# KiCad board HPM6E00ADCEVKRevC.kicad_pcb (continued)
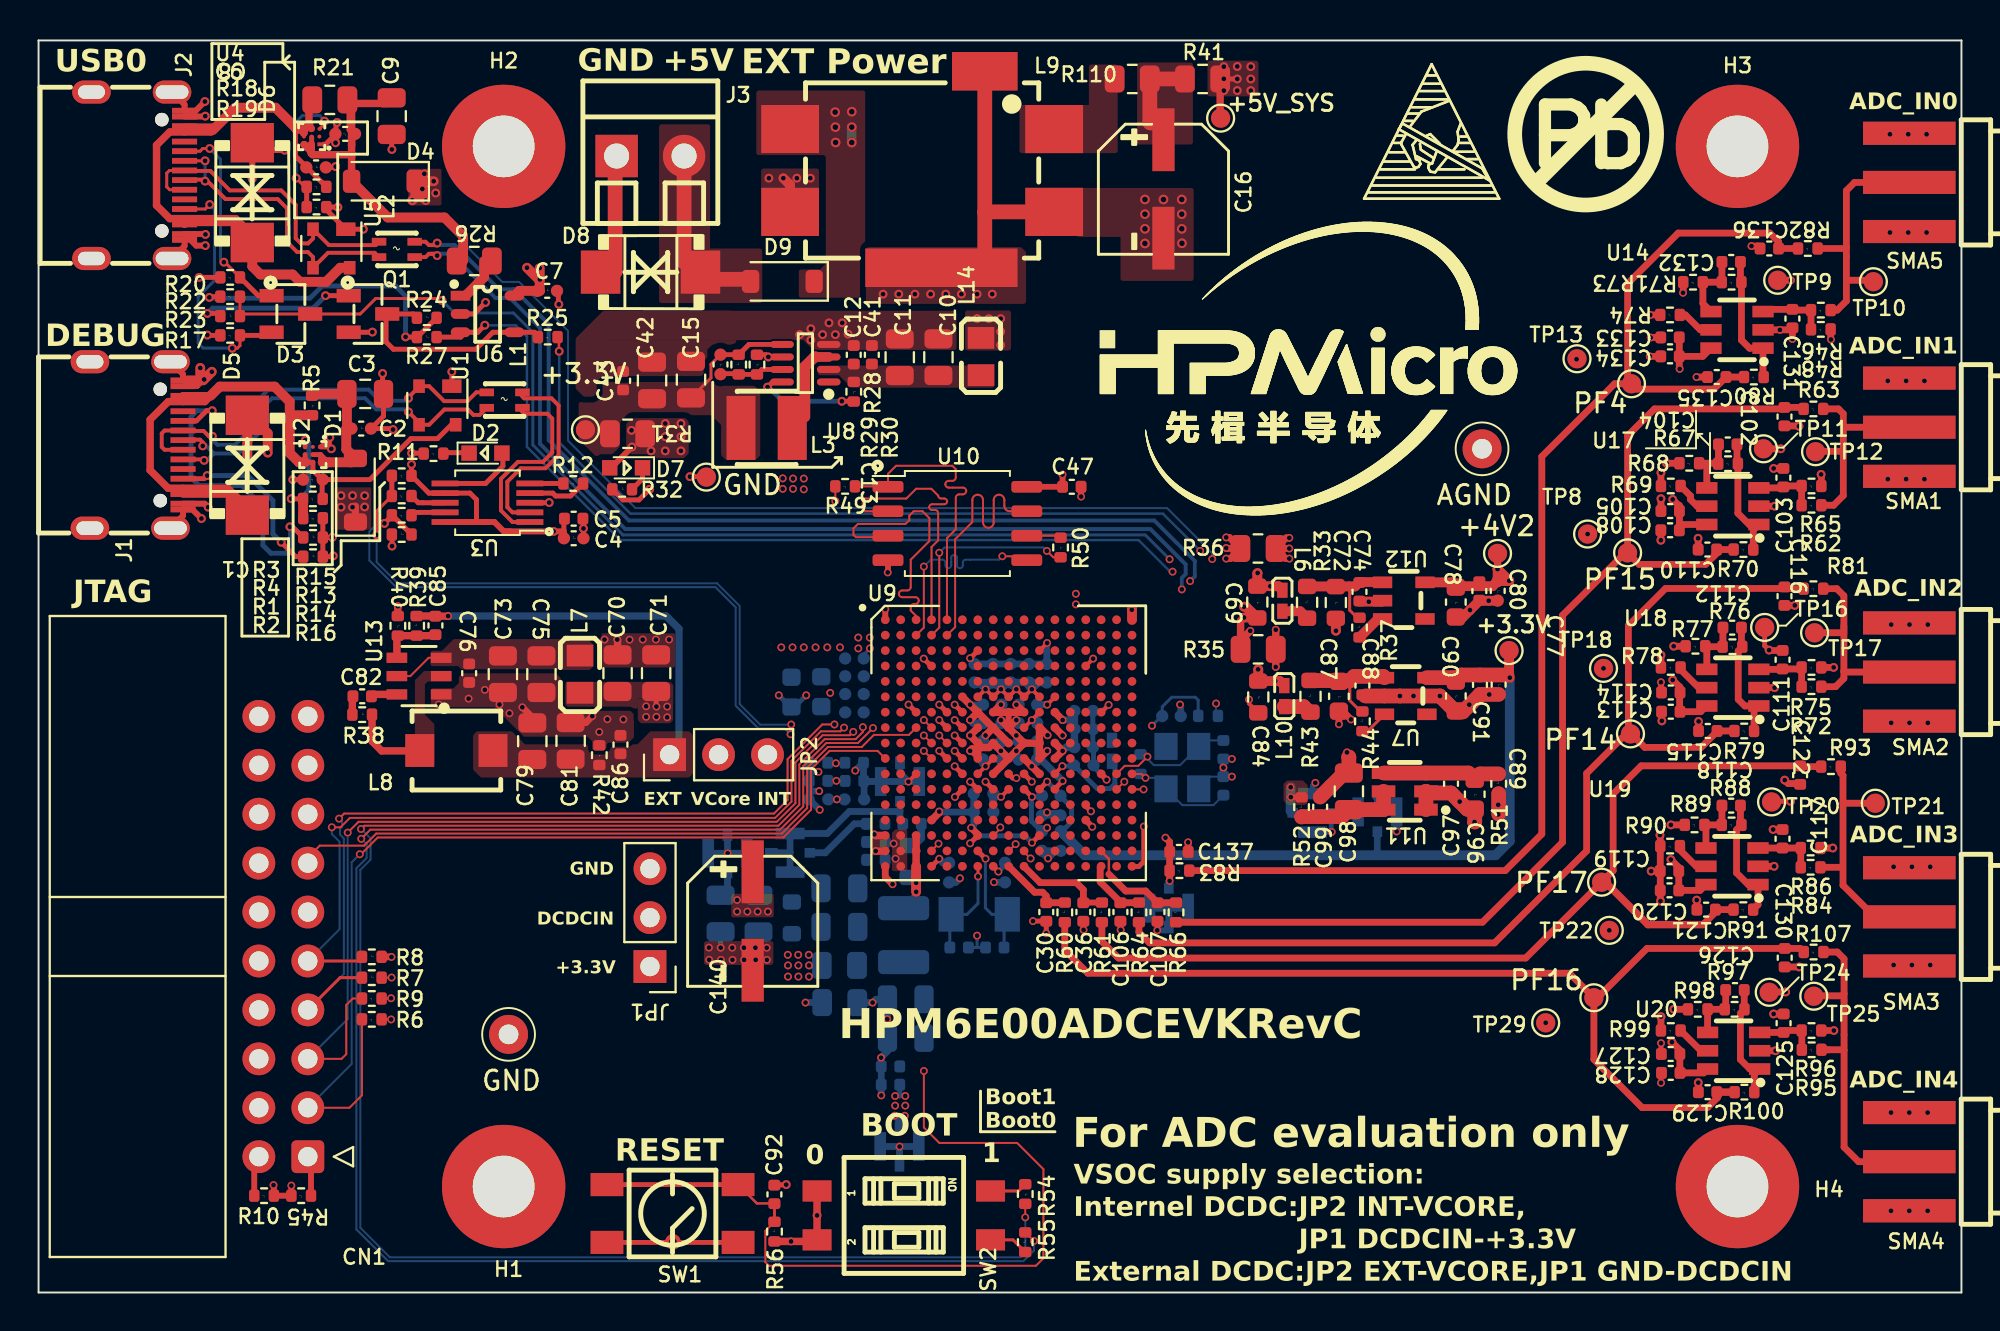
[diagram p0: board, top side]
## Copper pours and planes (outline as drawn; the poured copper is in the pictures) (continued)
Net-(U8-VIN) on Top: 40.42,48.12 42.89,48.12 42.88,48.12 49.58,48.12 49.58,46.98 42.16,46.98 41.52,47.62 40.42,47.62
Net-(U13-EN) on Top: 20.33,33.32 20.93,33.32 21.53,33.92 28.49,33.92 28.78,33.63 28.78,32.5 28.6,32.32 21.97,32.32 21.77,32.52 20.33,32.52
Net-(U13-SW) on Top: 21.42,31.73 21.42,32.27 20.01,32.27 19.53,31.79 19.53,27.52 20.53,27.52 20.53,29.51 20.04,30 20.04,31.57 20.19,31.72 21.41,31.72

## Text on the board
B.Silkscreen: VREF | GND | TCK | NC | TDO | TMS | TDI | TRST
F.Silkscreen: P | b | DCDCIN | +3.3V | GND | EXT | VCore | INT | Boot1 | Boot0 | ADC_IN1 | ADC_IN0 | ADC_IN4 | ADC_IN3 | ADC_IN2 | 0 | 1 | VSOC supply selection: / Internel DCDC:JP2 INT-VCORE, / JP1 DCDCIN-+3.3V / External DCDC:JP2 EXT-VCORE,JP1 GND-DCDCIN | DEBUG | USB0 | JTAG | RESET | BOOT | +5V | EXT Power | HPM6E00ADCEVKRevC | For ADC evaluation only
